# Altium PCB HV_Module_2W.PCBDOC (part 3 of 3)
Units mil, origin at the board's own origin, x right, y up, seen from the top; angles counter-clockwise.
Board outline 5826.77 x 3385.83 mil, 4 copper layers (Top, L2, L3, Bot), stack 62.992 mil thick; 295 components, 180 nets, 850 pads, 310 vias.
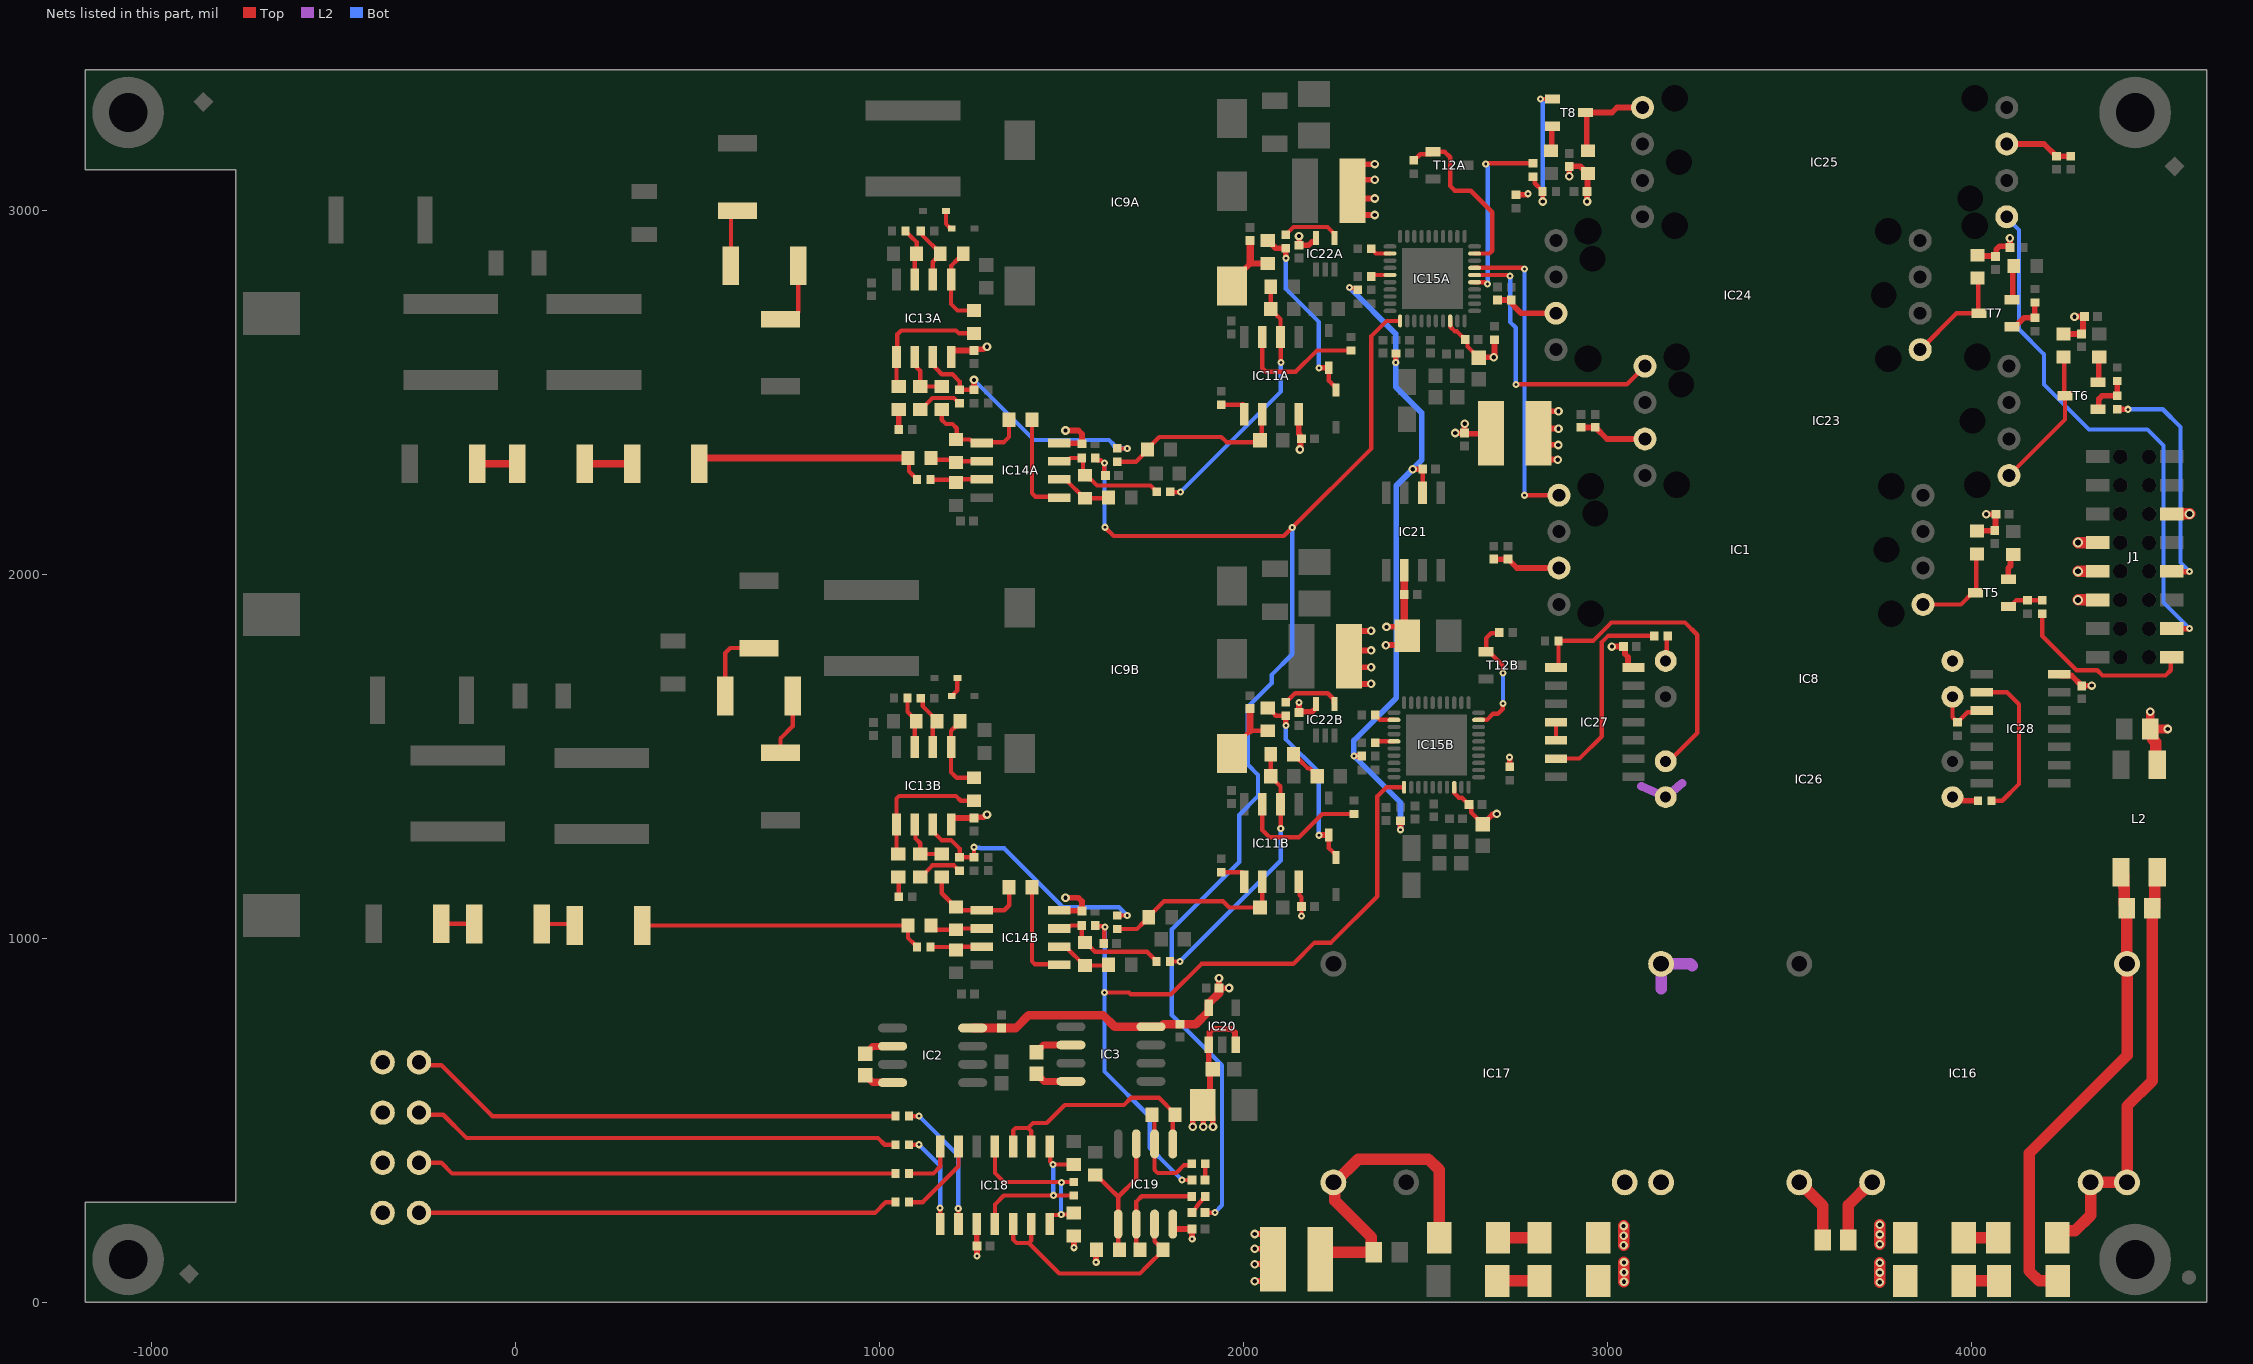
[diagram p5: the nets of this part, all layers, seen from the top]

## Via types
v1: diameter 23.62, hole 11.81, Top to Bot, 172 vias
v2: diameter 19.68, hole 7.87, Top to Bot, 92 vias
v3: diameter 19.68, hole 7.87, Top to Bot, tented both sides, 31 vias
v4: diameter 27.56, hole 15.75, Top to Bot, 9 vias
v5: diameter 31.5, hole 19.68, Top to Bot, tented both sides, 6 vias

## Nets (pads, with @x,y where several pads share a name; then routed paths per layer and width w, separated by ;. In a path a pad name is that pad's centre, name@x,y a point inside that pad or via, vN(x,y) a via of type N, cw(c..) or ccw(c..) an arc to the next point about the centre after c; other vN are vias at no path point) (continued)
NetC30B_2: C30B.2 R77B.1 | length 90.5
  Top w11.81: R77B.1@2137.8,1505.48 2137.8,1503.51 2149.61,1491.7 2151.57,1491.7 2176.74,1466.54 2183.04,1466.54 2189.96,1459.62 2189.96,1458.66 2195.87,1452.76 C30B.2@2204.72,1452.76
NetC31A_2: C31A.2 IC11A.2 R77A.2 R78A.1 | length 717.6
  Top w11.81: R78A.1@1799.06,2226.27 1800.09,2225.24 1826.15,2225.24 v2(1826.62,2225.71) ; R77A.2@2074.8,2788.94 C31A.2@2074.8,2728.35 2074.8,2727.36 2094.46,2707.71 2094.85,2707.71 2101.77,2700.79 IC11A.2@2101.77,2651.57 2102.26,2651.09 2102.26,2581.68 v2(2102.72,2581.22)
  Bot w11.81: v2(1826.62,2225.71) 2102.72,2501.82 v2(2102.72,2581.22)
NetC31B_2: C31B.2 IC11B.2 R77B.2 R78B.1 | length 722
  Top w11.81: R78B.1@1798.22,936.56 v2@1825.24,936.56 ; R77B.2@2074.8,1505.48 C31B.2@2074.8,1444.88 2074.8,1443.9 2087.6,1431.1 2087.99,1431.1 2101.77,1417.32 IC11B.2@2101.77,1368.11 2101.77,1356.3 2102.13,1355.94 v2@2102.13,1298.09
  Top w15.75: v2@1825.24,936.56 v2(1825.53,936.85)
  Bot w11.81: v2(1825.53,936.85) 2102.42,1213.74 v2@2102.42,1297.79
  other v2: 2102.42,1301.73
NetC32_1: C32.1 C37.2 IC16.22 IC16.23 L2.4 | length 1190.4
  Top w31.5: C32.1@4234.25,177.17 4234.25,179.13 4251.97,196.85 4283.46,196.85 4326.38,239.76 IC16.22@4326.38,329.92 IC16.23@4426.38,329.92 4426.38,539.26 4496.06,608.94 C37.2@4496.06,1082.68 ; C37.2@4502.03,1084.71 4502.03,1173.69 L2.4@4509.45,1181.1
NetC32_2: C32.2 C33.1 | length 92.5
  Top w31.5: C33.1@3980.31,177.17 C32.2@4072.83,177.17
NetC33_2: C33.2 C34.1 C38.2 IC16.14 IC17.22 IC17.23 | length 315.4
  Top w31.5: v1(3043.79,156.81) v1(3043.79,210.1) ; IC16.14@3526.38,329.92 3590.55,265.75 C38.2@3590.55,171.26 ; v1(3747.54,159.98) v1(3747.54,213.27) ; C33.2@3800.28,160.52 C33.2@3816.93,177.17
  other v1: 3043.79,183.45 3747.54,186.63
NetC34_2: C34.2 C35.1 | length 114.2
  Top w31.5: C35.1@2698.82,177.17 C34.2@2812.99,177.17
NetC37_1: C37.1 C40.1 IC16.2 L2.3 | length 1330.5
  Top w31.5: C40.1@4218.5,77.5 4236.22,59.79 C40.1@4236.22,59.05 4185.04,59.06 4157.48,86.61 4157.48,409.45 4426.38,678.35 IC16.2@4426.38,929.92 4425.79,930.51 4425.79,1082.09 C37.1@4425.2,1082.68 ; L2.3@4409.45,1181.1 4417.32,1173.23 4417.32,1140.32 4418.61,1139.03 4418.61,1093.2 C37.1@4429.13,1082.68
NetC38_1: C38.1 C41.2 C42.1 IC16.16 IC17.2 | length 481.3
  Top w31.5: v1(3044.88,56.68) v1(3044.88,109.96) ; C38.1@3661.42,169.82 3661.42,267.72 3723.62,329.92 IC16.16@3726.38,329.92 ; v1(3747.54,55.65) v1(3747.54,108.94) ; C41.2@3799.21,82.68 3816.93,64.96 C41.2@3816.93,59.05
  L2 w31.5: 3146.85,862.2 IC17.2@3146.85,929.92 3227.56,929.92 3232.28,925.2
  other v1: 3747.54,82.3 3044.88,83.32
NetC40_2: C40.2 C41.1 | length 96.5
  Top w31.5: C41.1@3978.35,59.05 C40.2@4074.8,59.05
NetC42_2: C42.2 C43.1 | length 116.1
  Top w31.5: C43.1@2696.85,59.06 C42.2@2812.99,59.06
NetC44_1: C44.1 R57.2 | length 57.7
  Top w11.81: C44.1@1858.79,246.75 1865.08,253.05 1872.9,264.94 cw(c1882.01,258.96) 1873.59,265.88 1889.49,285.24 R57.2@1895.01,291.54
NetC45A_2: C45A.2 IC11A.6 R87A.2 R91A.1 | length 515.8
  Top w11.81: R91A.1@1653.41,2309.06 1704.75,2309.06 1736.24,2340.55 R87A.2@1736.24,2342.52 1736.24,2344.49 1768.75,2377 1938.9,2377 1953.17,2362.73 2039.89,2362.73 C45A.2@2045.28,2368.11 ; C45A.2@2050.26,2373.1 IC11A.6@2050.26,2449.28
  Top w15.75: C45A.2@2045.28,2368.11 C45A.2@2050.26,2373.1 ; IC11A.6@2050.26,2449.28 IC11A.6@2051.77,2450.79
NetC45B_2: C45B.2 IC11B.6 R87B.2 R91B.1 | length 525.1
  Top w11.81: R91B.1@1653.41,1025.59 1707.65,1025.59 1726.11,1044.04 1728.08,1044.04 1739.89,1055.86 R87B.2@1739.89,1057.82 1739.89,1059.79 1781.91,1101.81 1943.66,1101.81 1960.83,1084.65 C45B.2@2045.28,1084.65 2051.77,1091.14 IC11B.6@2051.77,1167.32 ; R87B.2@1730.66,1067.05 R87B.2@1735.52,1071.91
NetC46_1: C46.1 R71.2 | length 45.1
  Top w11.81: C46.1@1894.61,336.71 R71.2@1894.61,380.71
  Top w15.75: C46.1@1894.22,336.32 C46.1@1894.61,336.71 ; R71.2@1894.61,380.71 R71.2@1895.01,381.1
NetC67A_2: C67A.2 IC9A.5 R74A.2 | length 194.3
  Top w15.75: IC9A.5@1968.5,2791.34 1968.5,2803.74 2018.31,2853.54 R74A.2@2066.93,2853.54
  Top w20: 2018.31,2853.54 C67A.2@2018.31,2916.34
NetC67B_2: C67B.2 IC9B.5 R74B.2 | length 192.1
  Top w11.81: IC9B.5@1968.5,1507.87 1968.5,1520.28 2018.31,1570.08 R74B.2@2066.93,1570.08
  Top w19.68: 2018.31,1570.08 C67B.2@2018.31,1630.71
NetC69_1: C69.1 IC3.4 | length 103.3
  Top w19.68: C69.1@1431.47,628.38 1452.73,607.12 IC3.4@1525.94,607.12
NetC69_2: C69.2 IC3.2 | length 102.6
  Top w19.68: C69.2@1431.47,687.44 1451.15,707.12 IC3.2@1525.94,707.12
NetC72_1: C72.1 IC2.4 | length 83.3
  Top w19.68: C72.1@961.61,624.29 981.26,604.65 1035.57,604.65 IC2.4@1036.4,603.82
NetC72_2: C72.2 IC2.2 | length 83.3
  Top w19.68: C72.2@961.61,683.35 981.26,703 1035.57,703 IC2.2@1036.4,703.82
NetD1A_2: D1A.2 D9A.2 | length 57.2
  Top w11.81: D1A.2@1183.07,2998.03 1183.07,2962.01 1196.26,2948.82 D9A.2@1198.82,2948.82
NetD1B_2: D1B.2 D9B.2 | length 58.7
  Top w11.81: D9B.2@1198.82,1665.35 1201.38,1665.35 1203.74,1667.72 1203.74,1670.28 1213.98,1680.51 D1B.2@1213.98,1716.26
NetD3A_2: D3A.2 D8A.2 R74A.1 R76A.2 | length 523
  Top w11.81: D3A.2@2234.25,2566.99 2234.25,2531.56 2248.2,2517.61 2250,2517.61 2253.94,2513.67 D8A.2@2253.94,2505.8
  Top w15.75: R74A.1@2066.93,2916.54 2068.9,2916.54 2078.74,2906.69 2078.74,2904.72 2088.58,2894.88 R76A.2@2116.14,2894.88 2116.14,2867.87 v2(2116.44,2867.57) ; v2(2206.94,2566.69) 2207.24,2566.99 D3A.2@2234.25,2566.99
  Bot w11.81: v2(2116.44,2867.57) 2116.44,2783.17 2206.94,2692.66 v2(2206.94,2566.69)
NetD3B_2: D3B.2 D8B.2 R74B.1 R76B.2 | length 523
  Top w11.81: R74B.1@2066.93,1633.07 2068.9,1633.07 2080.71,1621.26 2080.71,1619.29 2088.58,1611.42 R76B.2@2116.14,1611.42 ; D3B.2@2234.25,1283.53 2234.25,1248.09 2248.2,1234.15 2250,1234.15 2253.94,1230.21 D8B.2@2253.94,1222.33
  Top w15.75: R76B.2@2116.14,1611.42 2116.14,1584.41 v2(2116.44,1584.11) ; v2(2206.94,1283.23) 2207.24,1283.53 D3B.2@2234.25,1283.53
  Bot w11.81: v2(2116.44,1584.11) 2116.44,1546.42 2206.94,1455.92 v2(2206.94,1283.23)
NetIC1_1: IC1.1 R1.1 T5.3 | length 265.3
  Top w11.81: IC1.1@3866.14,1916.93 3970.08,1916.93 4001.97,1948.82 T5.3@4009.84,1948.82 4012.2,1951.18 4012.2,2052.92 R1.1@4014.57,2055.28
NetIC8_1: IC8.1 R23.1 | length 71.3
  Top w11.81: IC8.1@3159.45,1761.81 3162.4,1764.76 3162.4,1827.76 R23.1@3165.35,1830.71
NetIC8_3: IC8.3 IC28.3 R24.2 | length 159
  Top w11.81: IC8.3@3946.85,1663.39 3946.85,1607.09 3956.3,1597.64 3956.3,1596.85 3959.84,1593.31 3961.42,1593.31 3966.93,1598.82 3966.93,1599.61 3988.46,1621.13 4002.95,1621.13 4004.43,1622.61 4004.43,1625.79 IC28.3@4027.56,1625.79
NetIC11A_3: IC11A.3 R82A.1 | length 345.7
  Top w11.81: IC11A.3@2051.77,2639.76 2051.77,2565.81 2061.3,2556.28 2143.77,2556.28 2201.99,2614.5 R82A.1@2295.51,2614.5
NetIC11A_5: IC11A.5 R58A.1 | length 75.2
  Top w11.81: R58A.1@1938.98,2465.32 IC11A.5@1998.13,2465.32
  Top w15.75: IC11A.5@1998.13,2465.32 2001.77,2461.68 IC11A.5@2001.77,2450.79
NetIC11B_3: IC11B.3 R82B.1 | length 344.9
  Top w11.81: IC11B.3@2051.77,1356.3 2051.77,1297.5 2071.72,1277.56 2152.55,1277.56 2216.33,1341.34 R82B.1@2303.15,1341.34
NetIC11B_5: IC11B.5 R58B.1 | length 74.1
  Top w11.81: R58B.1@1938.98,1181.85 1996.32,1181.85 2001.77,1176.4 IC11B.5@2001.77,1167.32
NetIC13A_1: IC13A.1 R49A.2 R85A.1 | length 223
  Top w11.81: R85A.1@1230.31,2879.92 1230.31,2877.95 1218.5,2866.14 1216.54,2866.14 1197.16,2846.76 1197.16,2797.36 1197.05,2797.24 1197.05,2741.93 1210.66,2728.32 1214.57,2724.41 R49A.2@1259.84,2724.41
NetIC13A_2: IC13A.2 R63A.1 R85A.2 | length 176.8
  Top w11.81: R63A.1@1113.39,2942.91 1118.9,2937.4 1118.9,2930.31 1167.32,2881.89 R85A.2@1167.32,2879.92 1167.32,2877.95 1155.51,2866.14 1154.92,2866.14 1147.05,2858.27 IC13A.2@1147.05,2797.24
NetIC13A_3: IC13A.3 R89A.1 R92A.2 | length 161.1
  Top w11.81: R89A.1@1071.65,2942.91 1071.65,2942.13 1093.22,2920.56 1094.01,2920.56 1102.36,2912.2 R92A.2@1102.36,2879.92 1097.05,2874.61 IC13A.3@1097.05,2797.24
NetIC13A_5: IC13A.5 R49A.1 R90A.2 | length 365
  Top w11.81: R90A.2@1053.15,2515.32 1047.05,2521.42 1047.05,2608.27 1049.31,2610.53 1049.31,2658.56 1060.1,2669.35 1210.63,2669.35 1218.57,2661.42 R49A.1@1259.84,2661.42
NetIC13A_6: IC13A.6 R86A.2 R88A.1 | length 158.3
  Top w11.81: IC13A.6@1097.05,2608.27 1097.05,2573.58 1112.2,2558.42 R86A.2@1112.2,2515.32 R88A.1@1171.26,2515.32
NetIC13A_7: IC13A.7 R62A.1 R91A.2 R94A.2 | length 745.4
  Top w11.81: IC13A.7@1147.05,2608.27 1147.05,2573.58 1164.34,2556.28 1164.34,2555.77 1171.26,2548.86 1200.68,2548.86 1220.47,2529.07 R62A.1@1220.47,2506.27 R94A.2@1259.84,2506.27 ; R91A.2@1653.41,2346.06 1654.44,2345.04 1680.5,2345.04 v2(1680.96,2345.5)
  Top w15.75: v1(1259.84,2533.58) 1260.14,2533.28 R94A.2@1260.14,2506.27
  Bot w11.81: v1(1259.84,2533.58) 1424.64,2368.78 1630.41,2368.78 1643.72,2355.47 1643.72,2352.42 1650.64,2345.5 v2(1680.96,2345.5)
NetIC13B_1: IC13B.1 R49B.2 R85B.1 | length 227
  Top w11.81: R85B.1@1230.32,1596.46 1216.54,1582.68 1209.65,1582.68 1197.05,1570.08 1197.05,1456.5 1208.69,1444.86 1212.6,1440.94 R49B.2@1259.84,1440.94
NetIC13B_2: IC13B.2 R63B.1 R85B.2 | length 178.9
  Top w11.81: R63B.1@1113.39,1659.45 1118.9,1653.94 1118.9,1637.99 1158.46,1598.43 R85B.2@1158.46,1596.46 R85B.2@1150.39,1604.53 ; IC13B.2@1147.05,1513.78 1147.05,1582.09 R85B.2@1159.45,1594.49
NetIC13B_3: IC13B.3 R89B.1 R92B.2 | length 158.3
  Top w11.81: R89B.1@1077.49,1660.35 1077.49,1622.31 1101.38,1598.43 R92B.2@1101.38,1596.46 1097.05,1592.13 IC13B.3@1097.05,1513.78
NetIC13B_5: IC13B.5 R49B.1 R90B.2 | length 375.2
  Top w11.81: R90B.2@1052.17,1231.85 1047.05,1236.97 1047.05,1383.78 1054.26,1390.99 1210.63,1390.99 1223.67,1377.95 R49B.1@1259.84,1377.95
NetIC13B_6: IC13B.6 R86B.2 R88B.1 | length 158.3
  Top w11.81: IC13B.6@1097.05,1324.8 1099.31,1322.54 1099.31,1274.03 1112.2,1261.13 R86B.2@1112.2,1231.85 R88B.1@1171.26,1231.85
NetIC13B_7: IC13B.7 R62B.1 R91B.2 R94B.2 | length 740.9
  Top w11.81: IC13B.7@1147.05,1324.8 1147.05,1293.31 1170.56,1269.79 1197.05,1269.79 1220.47,1246.37 R62B.1@1220.47,1222.8 R94B.2@1259.84,1222.8 v2@1259.84,1249.82 ; R91B.2@1653.41,1062.6 v2@1680.42,1062.6
  Top w15.75: v2(1259.55,1250.11) v2@1259.84,1249.82 ; v2@1680.42,1062.6 v2(1680.72,1062.9)
  Bot w11.81: v2(1259.55,1250.11) 1261.05,1248.61 1275.66,1248.61 1277.19,1247.08 1343.21,1247.08 1504.68,1085.61 1658,1085.61 v2(1680.72,1062.9)
NetIC14A_1: IC14A.1 R26A.1 R79A.2 R88A.2 | length 314.2
  Top w11.81: R88A.2@1171.26,2452.33 1171.33,2452.26 1171.33,2423.81 1182.8,2412.34 1200.85,2412.34 1212.6,2400.6 1212.6,2372.05 R26A.1@1210.63,2370.08 1248.97,2370.08 1258.61,2360.43 1293.31,2360.43 1295.57,2362.69 1335.41,2362.69 ; 1335.45,2362.73 1342.03,2362.73 1356.3,2377 R79A.2@1356.3,2423.88
NetIC14A_2: IC14A.2 R26A.2 R30A.1 | length 157.9
  Top w11.81: R30A.1@1141.73,2318.9 1146.38,2314.25 1203.46,2314.25 R26A.2@1210.63,2307.09 1213.98,2310.43 IC14A.2@1293.31,2310.43
NetIC14A_3: IC14A.3 R80A.1 R83A.2 | length 159.2
  Top w11.81: R80A.1@1140.55,2259.15 1203.45,2259.15 R83A.2@1210.63,2251.97 1219.09,2260.43 IC14A.3@1293.31,2260.43
NetIC14A_5: IC14A.5 R79A.1 | length 269.4
  Top w11.81: R79A.1@1419.29,2423.88 1419.29,2222.44 1429.04,2212.69 1480.02,2212.69 IC14A.5@1482.28,2210.43
NetIC14A_6: IC14A.6 R28A.1 R33A.2 | length 168.8
  Top w11.81: IC14A.6@1482.28,2260.43 1511.22,2260.43 1562.99,2208.66 R33A.2@1564.96,2208.66 1626.84,2208.66 R28A.1@1628.8,2210.63
NetIC14A_7: IC14A.7 R33A.1 R78A.2 R84A.2 | length 344.4
  Top w11.81: IC14A.7@1482.28,2310.43 1515.91,2310.43 1524.37,2318.9 R84A.2@1555.72,2318.9 1559.26,2315.35 1559.26,2277.35 1576.77,2259.84 1581.37,2259.84 1597.56,2243.65 1744.67,2243.65 1755.75,2232.57 1756.54,2232.57 1762.05,2227.06 R78A.2@1762.05,2226.27
NetIC14B_1: IC14B.1 R26B.1 R79B.2 R88B.2 | length 305.4
  Top w11.81: R88B.2@1171.26,1168.86 1171.26,1124.02 1208.66,1086.61 R26B.1@1210.63,1086.61 1220.28,1076.97 1293.31,1076.97 1343.04,1076.97 1356.73,1090.66 1356.73,1139.99 R79B.2@1356.3,1140.42
NetIC14B_2: IC14B.2 R26B.2 R30B.1 | length 157.9
  Top w11.81: R30B.1@1141.73,1035.43 1153.54,1023.62 R26B.2@1210.63,1023.62 1213.98,1026.97 IC14B.2@1293.31,1026.97
NetIC14B_3: IC14B.3 R80B.1 R83B.2 | length 159.5
  Top w11.81: R80B.1@1140.55,976.38 1202.76,976.38 R83B.2@1210.63,968.5 1219.09,976.97 IC14B.3@1293.31,976.97
NetIC14B_5: IC14B.5 R79B.1 | length 270.7
  Top w11.81: R79B.1@1419.29,1140.42 1419.29,936.81 1426.87,929.23 1480.02,929.23 IC14B.5@1482.28,926.97
NetIC14B_6: IC14B.6 R28B.1 R33B.2 | length 168.8
  Top w11.81: IC14B.6@1482.28,976.97 1511.22,976.97 1562.99,925.2 R33B.2@1564.96,925.2 1626.84,925.2 R28B.1@1628.8,927.17
NetIC14B_7: IC14B.7 R33B.1 R78B.2 R84B.2 | length 345.3
  Top w11.81: IC14B.7@1482.28,1026.97 1516.98,1026.97 1525.44,1035.43 R84B.2@1555.72,1035.43 ; R84B.2@1555.72,1034.65 1555.72,997.43 R33B.1@1564.96,988.19 1566.93,988.19 1592.01,963.11 1735.45,963.11 1761.22,937.34 R78B.2@1761.22,936.56
NetIC15A_9: IC15A.9 R64A.2 T12A.1 | length 497.7
  Top w11.81: R64A.2@2467.72,3136.56 2468.5,3136.56 2485.29,3153.35 2513.58,3153.35 T12A.1@2520.47,3160.24 2552.36,3160.24 2567.72,3144.88 2567.72,3065.87 2580.44,3053.15 2623.87,3053.15 2683.07,2993.96 2683.07,2888.19 2675.43,2880.55 IC15A.9@2634.65,2880.55
NetIC15A_22: IC15A.22 R27A.1 | length 57.1
  Top w11.81: R27A.1@2351.18,2893.7 2351.18,2892.91 2363.55,2880.55 IC15A.22@2402.36,2880.55
NetIC15A_25: IC15A.25 R25A.1 | length 52.8
  Top w11.81: R25A.1@2351.18,2817.56 2355.12,2821.49 IC15A.25@2402.36,2821.49
NetIC15B_9: IC15B.9 R64B.2 T12B.1 | length 339.6
  Top w11.81: IC15B.9@2645.67,1600 2668.38,1600 2685.08,1616.7 2698.66,1616.7 2711.92,1629.96 2711.92,1643.96 v2(2712.6,1644.64) ; R64B.2@2702.66,1839.57 2701.25,1838.16 2680.44,1838.16 2666.26,1823.97 T12B.1@2666.26,1787.01 2674.13,1787.01 2712.6,1748.54 v2(2712.6,1728.35)
  Bot w11.81: v2(2712.6,1644.64) v2(2712.6,1728.35)
NetIC15B_22: IC15B.22 R27B.1 | length 57.1
  Top w11.81: R27B.1@2362.2,1613.15 2362.2,1612.36 2374.57,1600 IC15B.22@2413.39,1600
NetIC15B_25: IC15B.25 R25B.1 | length 52.4
  Top w11.81: R25B.1@2362.2,1537.99 2365.16,1540.94 IC15B.25@2413.39,1540.94
NetIC18_1: IC18.1 R67.2 | length 252.9
  Top w11.81: R67.2@1081.5,433.07 v2@1108.51,433.07 ; IC18.1@1167.17,232.09 v2@1167.17,259.1
  Top w15.75: v2@1108.51,433.07 v2(1108.8,433.37) ; v2(1166.87,259.4) v2@1167.17,259.1
  Bot w11.81: v2(1108.8,433.37) 1166.87,375.3 v2(1166.87,259.4)
NetIC18_2: IC18.2 R109.2 | length 354.1
  Top w11.81: R109.2@1081.5,511.81 v2@1108.51,511.81 ; IC18.2@1217.17,230.36 v2@1217.17,257.37
  Top w15.75: v2@1108.51,511.81 v2(1108.8,512.11) ; v2(1216.87,257.67) v2@1217.17,257.37
  Bot w11.81: v2(1108.8,512.11) 1216.87,404.04 v2(1216.87,257.67)
NetIC18_4: IC18.4 IC18.8 R59.2 R108.1 | length 475.5
  Top w11.81: IC18.4@1317.45,215.75 1317.45,269.33 1341.81,293.7 R108.1@1533.98,293.7 ; IC18.8@1467.45,428.35 1469.37,426.42 1469.37,387.04 v2(1477.28,379.13) R59.2@1533.98,379.13
  Bot w11.81: v2(1477.28,379.13) 1477.28,295.36 v2(1478.35,294.29)
NetIC18_5: IC18.5 IC18.6 IC19.7 R56.1 | length 657.7
  Top w11.81: IC18.5@1367.45,215.75 1367.45,172.91 1376.97,163.39 1410.53,163.39 ; IC18.6@1417.45,215.75 1417.45,170.3 1410.53,163.39 ; IC19.7@1755.83,215.35 1755.83,168.11 1765.28,158.66 1767.25,158.66 1779.06,146.85 R56.1@1779.06,144.88 1779.06,142.91 1735.95,99.8 1715.87,79.72 1680.83,79.72 1494.19,79.72 1410.53,163.39
NetIC18_7: IC18.7 IC18.11 R5.1 R108.2 | length 478
  Top w11.81: IC18.11@1317.45,428.35 1317.45,355.86 1342.6,330.71 R108.2@1533.98,330.71 ; IC18.7@1467.45,215.75 1467.45,234.45 1473.35,240.35 1498.15,240.35 v2(1499.44,241.64) 1530.35,241.64 R5.1@1533.98,245.28
  Bot w11.81: v2(1499.44,241.64) 1499.09,241.99 1499.09,328.9 v2(1500.12,329.92)
NetIC18_9: IC18.9 IC18.10 IC19.1 R69.1 | length 684.1
  Top w11.81: IC18.10@1367.45,428.35 1367.45,472.41 1374.37,479.33 1408.46,479.33 ; IC18.9@1417.45,428.35 1417.45,470.35 1408.46,479.33 ; IC19.1@1805.83,435.35 1805.83,509.34 R69.1@1812.23,515.74 1812.23,517.71 1767.78,562.15 1691.73,562.15 1671.78,542.2 1509.16,542.2 1459.8,492.84 1421.97,492.84 1408.46,479.33
NetIC18_13: IC18.13 R72.2 | length 231.1
  Top w11.81: R72.2@1081.5,275.59 1119.09,275.59 1217.45,373.94 IC18.13@1217.45,428.35
NetIC18_14: IC18.14 R70.2 | length 149
  Top w11.81: R70.2@1081.5,354.33 1148.72,354.33 1167.45,373.06 IC18.14@1167.45,428.35
NetIC19_2: IC19.2 R69.2 R71.1 | length 270.4
  Top w11.81: R69.2@1749.24,515.74 1755.83,509.14 1755.83,364.17 1764.14,355.86 1815.47,355.86 1836.83,377.22 1854.12,377.22 R71.1@1858,381.1
NetIC19_3: IC19.3 IC19.5 R66.1 R68.2 | length 399.9
  Top w11.81: R68.2@1593.04,349.61 1604.85,337.8 1608.17,337.8 1630.83,315.13 1655.83,290.13 ; R66.1@1658.98,144.88 1655.83,148.03 IC19.5@1655.83,215.35 1655.83,227.56 1655.83,290.13 ; IC19.3@1705.83,435.35 1705.83,340.13 1655.83,290.13
NetIC19_6: IC19.6 R56.2 R57.1 | length 294.8
  Top w11.81: R56.2@1716.07,144.88 1705.83,155.12 IC19.6@1705.83,215.35 1705.83,227.56 1705.83,277.22 1720.4,291.79 1852.49,291.79 R57.1@1858,291.54
NetIC22A_4: IC22A.4 R76A.1 | length 162
  Top w11.81: R76A.1@2116.14,2931.89 2116.93,2931.89 2122.44,2937.4 2122.44,2938.19 2137.58,2953.33 2230.73,2953.33 2250,2934.05 IC22A.4@2250,2923.23
NetIC22B_4: IC22B.4 R76B.1 | length 162.8
  Top w11.81: R76B.1@2116.14,1648.43 2116.93,1648.43 2141.81,1673.31 2231.22,1673.31 2248.03,1656.5 2248.03,1645.67 IC22B.4@2250,1643.7
NetIC23_1: IC23.1 R6.1 T6.3 | length 390.4
  Top w11.81: IC23.1@4102.36,2271.26 4255.91,2424.8 T6.3@4255.91,2490.16 4253.94,2492.13 4253.94,2594.49 R6.1@4251.97,2596.46
NetIC24_1: IC24.1 R98.1 T7.3 | length 300.9
  Top w11.81: IC24.1@3858.27,2616.54 3958.27,2716.54 T7.3@4019.69,2716.54 4017.72,2718.5 4017.72,2811.02 R98.1@4015.75,2812.99
NetIC25_1: IC25.1 R102.1 T8.3 | length 270.5
  Top w15.75: R102.1@2946.06,3162.99 2942.52,3166.54 2942.52,3264.17 T8.3@2938.98,3267.72 3011.81,3267.72 3025.59,3281.5 IC25.1@3096.06,3281.5
NetIC26_1: IC26.1 R106.1 | length 74.2
  Top w15.75: IC26.1@3946.85,1387.8 3955.32,1379.33 3976.83,1379.33 3978.2,1377.95 R106.1@4016.93,1377.95
NetIC26_3: IC26.3 IC27.1 R21.2 | length 881.9
  Top w11.81: IC27.1@2857.48,1744.49 IC27.1@2858.27,1743.7 2859.06,1743.7 2864.96,1749.61 R21.2@2864.96,1816.93 2960.11,1816.93 3010.3,1867.13 3212.55,1867.13 3246.06,1833.61 3246.06,1563.78 3168.5,1486.22 IC26.3@3159.45,1486.22
NetIC27_4: IC27.4 IC27.5 | length 50
  Top w11.81: IC27.5@2858.27,1543.7 IC27.4@2858.27,1593.7
NetIC27_6: IC27.6 R23.2 | length 561.1
  Top w11.81: IC27.6@2858.27,1493.7 2922.83,1493.7 2984.25,1555.12 2984.25,1813.58 3001.38,1830.71 R23.2@3128.35,1830.71
NetIC28_2: IC28.2 R106.2 | length 429.5
  Top w11.81: IC28.2@4027.56,1675.79 4096.91,1675.79 4129.67,1643.02 4129.67,1423.96 4083.66,1377.95 R106.2@4053.94,1377.95
NetR2_1: R2.1 R3.2 T5.1 | length 101.4
  Top w11.81: T5.1@4100.39,1911.42 4108.27,1911.42 4113.19,1916.34 4113.19,1919.52 4122.41,1928.74 R3.2@4152.76,1928.74 ; R3.2@4153.54,1928.74 4153.71,1928.57 4193.22,1928.57 R2.1@4193.39,1928.41
NetR4_2: R4.2 T5.2 | length 73.4
  Top w15.75: T5.2@4100.39,1986.22 4100.39,2016.93 4106.13,2022.67 4106.13,2045.89 R4.2@4114.17,2053.94
NetR7A_2: R7A.2 R8A.1 | length 184.3
  Top w11.81: R7A.2@728.35,2700.79 758.86,2700.79 777.64,2719.57 R8A.1@777.64,2846.76
NetR7B_2: R7B.2 R8B.1 | length 169.4
  Top w11.81: R7B.2@728.35,1509.84 728.35,1549.21 761.81,1582.68 R8B.1@761.81,1665.35
NetR8A_2: R8A.2 R9A.1 | length 159.1
  Top w11.81: R8A.2@592.6,2846.76 592.6,2981.3 609.33,2998.03 R9A.1@610.24,2998.03
NetR8B_2: R8B.2 R9B.1 | length 216.3
  Top w11.81: R8B.2@576.77,1665.35 576.77,1783.46 590.55,1797.24 R9B.1@669.29,1797.24
NetR30A_2: R30A.2 R80A.2 R81A.1 | length 650.4
  Top w11.81: R30A.2@1078.74,2318.9 1081.69,2315.94 1081.69,2282.48 1103.54,2260.63 R80A.2@1103.54,2259.84
  Top w19.68: R81A.1@505.91,2303.15 505.91,2306.1 518.7,2318.9 R30A.2@1078.74,2318.9
NetR30B_2: R30B.2 R80B.2 R81B.1 | length 800.1
  Top w11.81: R81B.1@348.43,1035.43 R30B.2@1078.74,1035.43 1078.74,1001.18 1097.24,982.68 1098.03,982.68 1103.54,977.17 R80B.2@1103.54,976.38
NetR60A_1: R60A.1 R81A.2 | length 129.9
  Top w19.68: R60A.1@190.94,2303.15 R81A.2@320.87,2303.15
NetR60A_2: R60A.2 R61A.1 | length 110.2
  Top w19.68: R61A.1@-104.33,2303.15 R60A.2@5.91,2303.15
NetR60B_1: R60B.1 R81B.2 | length 92.2
  Top w11.81: R60B.1@72.83,1039.37 159.45,1039.37 R81B.2@163.39,1035.43
NetR60B_2: R60B.2 R61B.1 | length 91
  Top w11.81: R61B.1@-202.76,1040.35 -113.19,1040.35 R60B.2@-112.2,1039.37
NetR62A_2: R62A.2 R86A.1 | length 127.3
  Top w11.81: R86A.1@1112.2,2452.33 1114.17,2452.33 1145.67,2483.82 1205.12,2483.82 1219.68,2469.26 R62A.2@1220.47,2469.26
NetR62B_2: R62B.2 R86B.1 | length 127.3
  Top w11.81: R86B.1@1112.2,1168.86 1114.17,1168.86 1145.67,1200.36 1205.12,1200.36 1219.69,1185.8 R62B.2@1220.47,1185.8
NetR90A_1: R90A.1 R93A.2 | length 54.7
  Top w15.75: R93A.2@1053.15,2397.65 R90A.1@1053.15,2452.33
NetR90B_1: R90B.1 R93B.2 | length 55.1
  Top w11.81: R90B.1@1052.17,1168.86 1053.15,1167.88 R93B.2@1053.15,1114.19
NetR95_1: R95.1 R96.2 T6.1 | length 124.5
  Top w15.75: T6.1@4346.46,2452.76 4346.46,2455.71 4348.43,2457.68 4348.43,2480.54 4357.65,2489.76 R95.1@4399.61,2489.76 R96.2@4399.61,2530.71
NetR97_2: R97.2 T6.2 | length 70.5
  Top w15.75: T6.2@4346.46,2527.56 4348.43,2529.53 4348.43,2594.49 R97.2@4350.39,2596.46
NetR99_1: R99.1 R100.2 T7.1 | length 115.2
  Top w15.75: T7.1@4110.24,2679.13 4118.11,2679.13 4143.31,2704.33 R99.1@4173.23,2704.33 R100.2@4173.23,2746.06
NetR101_2: R101.2 T7.2 | length 94.5
  Top w15.75: T7.2@4110.24,2753.94 4112.2,2755.91 4112.2,2843.23 R101.2@4115.34,2846.36
NetR103_1: R103.1 R104.2 T8.1 | length 390.9
  Top w11.81: R103.1@2795.28,3091.73 2796.06,3091.73 2799.61,3088.19 2799.61,3073.62 2821.26,3051.97 R104.2@2821.26,3051.18 2821.56,3050.88 2821.56,3023.87 v1(2821.85,3023.57) ; v2@2815.84,3305.07 T8.1@2842.85,3305.07
  Top w15.75: v2(2815.54,3304.77) v2@2815.84,3305.07
  Bot w11.81: v2(2815.54,3304.77) 2815.54,3302.64 2821.85,3296.33 v1(2821.85,3023.57)
NetR105_2: R105.2 T8.2 | length 69
  Top w15.75: R105.2@2844.49,3162.99 2846.46,3164.96 2846.46,3228.35 T8.2@2848.43,3230.31
P3V3: C1.2 C6.2 C9.2 C49.1 C58.2 C60.2 C61.2 C63.1 C64.2 IC8.4 IC25.6 IC28.14 J1.11 R1.2 R6.2 R98.2 | length 726
  Top w15.75: R1.2@4014.57,2118.28 4015.47,2119.18 4062.09,2119.18 C1.2@4062.99,2120.08 4064.96,2122.05 4064.96,2162.69 C60.2@4066.93,2164.66 4039.92,2164.66 v1(4039.62,2164.36) ; R98.2@4015.75,2875.98 4017.72,2874.02 4062.99,2874.02 C61.2@4064.96,2872.05 4067.3,2874.39 4067.3,2891.41 4076.53,2900.64 4104.87,2900.64 4104.87,2922.67 v1(4104.79,2922.75) ; IC25.6@4096.06,3181.5 4198.43,3181.5 C63.1@4232.28,3147.64 C9.2@4271.65,3147.64 ; IC28.14@4240.16,1725.79 4244.09,1721.85 4273.62,1721.85 C49.1@4301.97,1693.5 4302.26,1693.8 4329.28,1693.8 v1(4329.57,1694.1) ; R6.2@4251.97,2659.45 4252.25,2659.73 4301.09,2659.73 C6.2@4301.37,2660 4305.7,2664.33 C64.2@4305.7,2707.64 ; v1(4282,2707.34) 4282.29,2707.64 C64.2@4305.7,2707.64 ; C64.2@4309.3,2707.64 C64.2@4305.7,2707.64
  Top w31.5: J1.11@4548.79,2165.52 v4(4598.13,2165.52)
P3V3Ap: C19A.2 C19B.2 C24A.2 C24B.2 C57.2 IC15A.38 IC15B.38 L4.2 R75A.2 R75B.2 | length 569.2
  Top w11.81: IC15A.38@2567.72,2695.51 2567.72,2679.61 2580.44,2666.89 2586.5,2666.89 C24A.2@2609.05,2644.33 2615.35,2638.03 2615.35,2625.21 C19A.2@2646.46,2594.11 C19A.2@2657.32,2604.97 ; IC15B.38@2578.74,1414.96 2578.74,1399.06 2591.46,1386.34 2600.16,1386.34 C24B.2@2618.91,1367.59 ; C24B.2@2619.08,1367.42 2625.38,1361.12 2625.38,1345.66 C19B.2@2657.48,1313.56
  Top w15.75: v1@2581.76,2387.25 C57.2@2606.91,2387.25 2606.91,2412.4 v1(2607.53,2413.02) ; C57.2@2605.2,2386.02 2679.26,2386.02 L4.2@2680.06,2386.82 ; C19A.2@2659.64,2595.66 v1@2686.65,2595.66 ; C19B.2@2663.33,1313.56 2663.33,1319.41 2684.11,1340.18 2694.08,1340.18 v1(2695.59,1341.69) ; v1(2686.95,2595.95) 2686.95,2598.09 2689.61,2600.75 R75A.2@2689.61,2644.14 ; v2@2730.87,1498.3 2731.16,1498 R75B.2@2731.16,1470.99
  other v1: 2581.14,2387.87
  other v2: 2730.87,1497.31
P3V3p: C2.1 C3.1 C7.1 C8.2 C10.2 C50.1 C59.2 C62.2 C65.2 C66.2 C68.1 C71.1 IC1.6 IC2.8 IC3.8 IC20.5 IC23.6 IC24.6 IC26.4 IC27.14 L4.1 R102.2 R107.2 | length 1928.8
  Top w15.75: v1(1932.77,890.57) 1933.07,890.27 C66.2@1933.07,863.26 1960.08,863.26 v1(1960.38,863.56) ; C59.2@2687.18,2041.34 C2.1@2726.38,2041.34 2750.79,2016.93 IC1.6@2866.14,2016.93 ; C8.2@2698.07,2752.95 2698.25,2752.77 2735.06,2752.77 C7.1@2735.24,2752.6 ; C7.1@2726.38,2752.6 2762.44,2716.54 IC24.6@2858.27,2716.54 ; R107.2@2748.03,3042.38 2778.93,3042.38 v2(2781.5,3044.94) ; L4.1@2837.41,2314.77 2862.56,2314.77 v1(2863.18,2314.15) ; L4.1@2838.89,2355.32 2864.04,2355.32 v1(2864.66,2354.7) ; L4.1@2839.19,2400.31 2864.34,2400.31 v1(2864.96,2399.69) ; L4.1@2839.19,2447.84 2864.34,2447.84 v1(2864.96,2447.22) ; v1(2894.98,3092.77) 2894.68,3093.07 C65.2@2894.68,3120.08 2925.03,3120.08 2934.25,3110.85 2934.25,3109.84 2944.09,3100 R102.2@2946.06,3100 2944.49,3098.43 2944.49,3052.76 C62.2@2942.91,3051.18 2943.21,3050.88 2943.21,3023.87 v1(2943.51,3023.57) ; C10.2@2927.2,2402.8 2927.57,2403.17 2965.77,2403.17 C3.1@2966.14,2403.54 2998.43,2371.26 IC23.6@3102.36,2371.26 ; v1(3011.81,1801.18) C50.1@3043.31,1801.18 3047.64,1796.85 3047.64,1781.1 3056.1,1772.64 3056.1,1747.64 3060.04,1743.7 IC27.14@3070.87,1743.7
  Top w23.62: IC2.8@1256.4,753.82 C71.1@1335.63,753.82 1375,753.82 1410.45,789.27 1614.56,789.27 1646.7,757.12 IC3.8@1745.94,757.12 1774.04,757.12 1780.73,763.81 1824.77,763.81 C68.1@1825.17,764.21 1869.08,764.21 1904.08,799.21 IC20.5@1904.08,810.04 1904.08,820.86 1932.68,849.46 1932.68,862.87 C66.2@1933.07,863.26
  L2 w23.62: 3092.96,1417.76 IC26.4@3159.45,1387.8 3204.49,1425.53
P5V0Ap: C21A.2 C21B.2 C22A.2 C22B.2 C29A.2 C29B.2 C47.2 C48A.2 C48B.2 C51.2 C52.2 C53.1 C54.2 C56.1 IC11A.8 IC11B.8 IC13A.8 IC13B.8 IC14A.8 IC14B.8 IC18.3 IC19.8 IC20.1 IC20.3 IC21.2 IC22A.5 IC22B.5 L1A.1 L1B.1 L3.2 LD1.2 LD2.2 LD3.2 LD4.2 R5.2 R66.2 | length 2154
  Top w11.81: IC11B.8@2151.77,1167.32 2154.03,1165.06 2154.03,1118.61 2159.45,1113.19 C29B.2@2159.45,1087.6 2159.45,1057.98 v3@2159.3,1057.82
  Top w15.75: IC13B.8@1197.05,1324.8 1197.05,1327.11 1200.68,1330.75 C21B.2@1259.84,1330.75 1261.92,1332.83 1286.6,1332.83 1293.61,1339.83 v1(1295.74,1339.83) ; IC13A.8@1197.05,2608.27 1197.05,2610.57 1200.68,2614.21 C21A.2@1259.84,2614.21 1263.23,2617.6 1286.21,2617.6 1293.44,2624.82 v1(1295.57,2624.82) ; IC18.3@1267.45,215.75 1267.84,215.35 1267.84,155.12 C51.2@1268.23,154.72 1268.23,127.71 v2(1268.53,127.42) ; IC14B.8@1482.28,1076.97 1483.37,1075.89 1555.42,1075.89 C22B.2@1556.51,1074.8 1556.51,1101.81 1547.13,1111.2 v1(1511.22,1111.2) ; IC14A.8@1482.28,2360.43 1483.37,2359.35 1555.42,2359.35 C22A.2@1556.51,2358.27 1556.51,2385.28 1547.13,2394.66 v1(1511.22,2394.66) ; R5.2@1534.44,177.85 1534.44,150.84 v2(1534.74,150.54) ; R66.2@1595.16,137.8 1595.16,110.78 v2(1595.46,110.49) ; IC19.8@1805.83,215.35 1805.83,205.61 1809.47,201.97 C52.2@1858.79,201.97 1858.79,174.96 v2(1859.08,174.66) ; v1@1860.64,485.1 C56.1@1860.64,512.11 ; C56.1@1888.31,542.32 1908.14,562.15 1908.14,633.53 C47.2@1915.35,640.75 1904.63,651.47 IC20.1@1904.63,707.12 ; C56.1@1889.49,509.84 1889.79,509.55 v1(1889.79,482.53) ; IC20.1@1904.08,707.67 1906.35,709.95 1906.35,741.76 1915.58,750.98 1967.38,750.98 1976.61,741.76 1976.61,709.95 IC20.3@1978.88,707.67 ; v1@1915.92,483.39 C56.1@1915.92,510.4 ; v1@2027.34,58.62 v1@2027.64,58.91 ; v1@2027.34,58.91 L3.2@2054.35,58.91 ; v1@2027.34,105.33 v1@2027.64,105.62 ; v1@2027.34,105.62 L3.2@2054.35,105.62 ; v1@2027.34,147.62 v1@2027.64,147.91 ; v1@2027.34,147.91 L3.2@2054.35,147.91 ; v1@2027.34,188.07 v1@2027.64,188.37 ; v1@2027.34,188.37 L3.2@2054.35,188.37 ; IC11A.8@2151.77,2450.79 2151.77,2385.6 2155.12,2382.26 2155.12,2376.38 C29A.2@2159.45,2372.05 2156.43,2369.03 2156.43,2344.03 v1(2154.92,2342.52) ; v2(2152.26,1647.39) 2152.56,1647.09 C48B.2@2152.56,1620.08 2154.92,1622.44 2188.39,1622.44 2198.82,1632.87 IC22B.5@2198.82,1643.7 ; v1@2152.49,2930.56 2152.78,2930.26 C48A.2@2152.78,2903.25 2178.84,2903.25 2187.99,2912.4 2198.82,2912.4 IC22A.5@2198.82,2923.23 ; L1B.1@2323.03,1698.75 2350.04,1698.75 v1(2350.34,1699.05) ; L1B.1@2323.03,1744.49 2350.04,1744.49 v1(2350.34,1744.79) ; L1B.1@2323.03,1790.35 2350.04,1790.35 v1(2350.34,1790.65) ; L1B.1@2323.03,1844.24 2350.04,1844.24 v1(2350.34,1844.54) ; L1A.1@2333.07,2986.22 2360.08,2986.22 v1(2360.38,2986.52) ; L1A.1@2333.07,3031.5 2360.08,3031.5 v1(2360.38,3031.79) ; L1A.1@2333.07,3082.9 2360.08,3082.9 v1(2360.38,3083.2) ; L1A.1@2333.07,3126.03 2360.08,3126.03 v1(2360.38,3126.33) ; v1(2391.13,1805.25) 2391.42,1805.55 C53.1@2418.43,1805.55 ; v1(2392.61,1855.25) 2392.91,1855.55 C53.1@2419.92,1855.55
  Top w19.68: IC21.2@2441.63,2010.87 C54.2@2441.63,1943.96 2441.63,1838.69 C53.1@2449.61,1830.71 C53.1@2449.61,1839.57
  Top w31.5: C56.1@1888.31,542.32 C56.1@1897.42,533.21
  other v1: 2031.28,58.62 2031.28,105.33 2031.28,147.62 2031.28,188.07 1860.94,482.53 1916.22,482.53 2152.49,2928.59
  other v3: 2159.3,1061.76
P5V0p: C35.2 C39.2 IC17.14 L3.1 | length 910.3
  Top w31.5: L3.1@2210.63,118.11 2230.31,137.8 C39.2@2358.27,137.8 2351.38,144.68 2351.38,179.33 2250.78,279.92 2250.78,325.99 IC17.14@2246.85,329.92 2251.18,329.92 2314.96,393.7 2507.87,393.7 2537.4,364.17 C35.2@2537.4,177.17
P12V0: C36.2 J1.6 J1.8 J1.10 L2.1 | length 364.5
  Top w23.62: v1(4490.16,1622.47) C36.2@4490.16,1574.8 v1(4537.83,1574.8)
  Top w31.5: v4(4291.77,1929.3) J1.6@4346.03,1929.3 ; v4(4291.77,2008.04) J1.8@4346.03,2008.04 ; v4(4291.77,2086.78) J1.10@4346.03,2086.78 ; C36.2@4490.16,1574.8 4497.05,1567.91 4497.05,1547.05 4505.18,1538.92 4505.18,1480.65 L2.1@4509.45,1476.38
REFIN: C55.2 IC21.6 R20A.2 R20B.2 R22A.2 R22B.2 | length 1893.8
  Top w11.81: v3(2291.33,2786.97) 2292.84,2785.47 2314.42,2785.47 R22A.2@2319.14,2780.75 ; IC21.6@2491.63,2223.47 2491.91,2223.76 2491.91,2288.16 C55.2@2492.2,2288.45
  Top w15.75: v2(2303.15,1500.59) 2323.03,1500.59 R22B.2@2324.02,1501.57 ; R20A.2@2418.01,2608.38 2418.01,2581.37 v2(2418.31,2581.07) ; v2(2431.06,1298.23) R20B.2@2431.1,1323.23 ; v1(2464.89,2288.15) 2465.19,2288.45 C55.2@2492.2,2288.45
  Bot w15.75: v3(2291.33,2786.97) 2418.31,2660 v2(2418.31,2581.07) 2418.31,2514.29 2489.53,2443.07 2489.53,2313.63 2464.89,2288.99 v1(2464.89,2288.15) 2419.62,2242.88 2419.62,1659.77 2303.15,1543.31 v2(2303.15,1500.59) 2431.06,1372.68 v2@2431.06,1302.17
SCKI: J1.7 R95.2 | length 628.7
  Top w15.75: R95.2@4399.61,2452.76 v2(4429.13,2452.76) ; J1.7@4570.87,2006.69 4597.88,2006.69 v2(4598.18,2006.99)
  Bot w11.81: v2(4429.13,2452.76) 4524.61,2452.76 4573.19,2404.17 4573.19,2031.97 v2(4598.18,2006.99)
SCKI_ISOL: IC15A.6 IC23.8 | length 777.9
  Top w11.81: IC15A.6@2634.65,2821.49 2724.12,2821.49 2725.21,2820.4 2730.78,2820.4 v2(2732.28,2818.9) ; v3(2748.03,2521.26) 3052.36,2521.26 IC23.8@3102.36,2571.26
  Bot w11.81: v2(2732.28,2818.9) 2732.28,2692.66 2748.03,2676.92 v3(2748.03,2521.26)
SDI: J1.1 R2.2 | length 501.4
  Top w11.81: R2.2@4193.39,1891.4 4193.39,1830.4 4287.57,1736.22 4344.74,1736.22 4359.11,1721.85 4531.89,1721.85 4546.26,1736.22 4546.26,1769.29 J1.1@4548.79,1771.82
SDI_ISOL: IC1.8 IC15A.7 | length 854.6
  Top w11.81: IC15A.7@2634.65,2841.18 2649.73,2841.18 2650.16,2841.61 2717.26,2841.61 2717.69,2841.18 2763.49,2841.18 2764.58,2840.09 2770.15,2840.09 v2(2771.65,2838.58) ; v3(2771.65,2216.93) IC1.8@2866.14,2216.93
  Bot w11.81: v3(2771.65,2216.93) v2(2771.65,2838.58)
SDO: IC25.8 J1.3 | length 1460
  Top w15.75: J1.3@4570.87,1850.56 4597.88,1850.56 v2(4598.18,1850.86)
  Bot w11.81: IC25.8@4096.06,2981.5 4096.06,2979.11 4129.67,2945.51 4129.67,2672.49 4198.43,2603.74 4198.43,2521.06 4321.85,2397.64 4482.28,2397.64 4526.57,2353.35 4526.57,1922.46 v2(4598.18,1850.86)
SDO_ISOL: IC15A.5 R103.2 | length 500.5
  Top w11.81: IC15A.5@2634.65,2801.81 2663.3,2801.81 2668.42,2796.69 v2(2670.55,2796.69) ; v2(2665.4,3126.03) 2667.54,3126.03 2670.24,3128.74 R103.2@2795.28,3128.74
  Bot w11.81: v2(2665.4,3126.03) 2665.4,3123.9 2670.55,3118.76 v2(2670.55,2796.69)
U_meas1: C16A.2 C44.2 IC15A.31 R84A.1 | length 3624.5
  Top w11.81: R84A.1@1592.73,2318.9 1592.73,2318.11 1598.24,2312.6 1608.5,2312.6 1615.98,2305.12 1617.74,2305.12 1617.74,2274.56 C16A.2@1621,2271.3 ; v2(1619.25,2128.94) 1643.53,2104.65 2110.56,2104.65 v2(2133.86,2127.95) ; C44.2@1894.22,246.75 v2@1921.23,246.75 ; v2@2133.86,2128.94 v2(2133.86,2127.95) ; IC15A.31@2429.92,2695.51 2392.61,2695.51 2351.18,2654.08 2351.18,2345.28 v2(2133.86,2127.95)
  Top w15.75: v2@1921.23,246.75 v2(1921.53,247.05)
  Bot w11.81: v2(1618.11,2305.12) 1618.11,2130.08 v2(1619.25,2128.94) ; v2(1921.53,247.05) 1941.25,266.78 1941.25,651.26 1802.96,789.56 1802.96,1024.56 1988.13,1209.73 1988.13,1338.91 2039.89,1390.67 2039.89,1448.95 2011.81,1477.03 2011.81,1634.94 2077.34,1700.47 2077.34,1723.48 2133.86,1780 v2(2133.86,2127.95)
U_meas2: C16B.2 C46.2 IC15B.31 R84B.1 | length 2111.3
  Top w11.81: R84B.1@1592.73,1035.43 1595.16,1033 1617.74,1033 v2(1619.25,1031.5) 1617.74,1029.99 1617.74,987.82 C16B.2@1616.14,986.22 ; v2(1618.11,851.46) 1685.38,851.46 1690.38,846.46 1800.96,846.46 1884.43,929.92 2136.61,929.92 2194.88,988.19 2240.55,988.19 2367.72,1115.35 2367.72,1390.35 2392.33,1414.96 IC15B.31@2440.94,1414.96 ; v2@1831.77,336.32 C46.2@1858.79,336.32
  Top w15.75: v2(1831.48,336.02) v2@1831.77,336.32
  Bot w11.81: v2(1618.11,851.46) 1618.11,634.34 1742.63,509.82 1742.63,424.86 1796.71,370.79 v2(1831.48,336.02) ; v2@1619.25,847.6 v2(1619.25,1031.5)
V1F: LD2.1 R67.1 | length 1345.4
  Top w11.81: LD2.1@-264.17,521.65 -258.26,515.74 -197.63,515.74 -133.69,451.8 996.04,451.8 1014.76,433.07 R67.1@1044.49,433.07
V1R: LD1.1 R109.1 | length 1375.4
  Top w11.81: LD1.1@-264.17,659.45 -256.2,651.47 -202.76,651.47 -63.1,511.81 R109.1@1044.49,511.81 R109.1@1040.56,515.74
V2F: LD4.1 R72.1 | length 1320.9
  Top w11.81: LD4.1@-264.17,246.06 988.19,246.06 1017.72,275.59 R72.1@1044.49,275.59
V2R: LD3.1 R70.1 | length 1320.9
  Top w11.81: LD3.1@-264.17,383.86 -202.76,383.86 -173.23,354.33 R70.1@1044.49,354.33
pads on no net: B1.1 B2.1 B3.1 B4.1 FTG1.FTG2 FTG2.1 FTG3.1 FTG4.1 IC1.9 IC1.10 IC1.11 IC1.12 IC1.13 IC1.14 IC2.1 IC2.7 IC3.1 IC3.7 IC15A.2 IC15A.3 IC15A.4 IC15A.10 IC15A.15 IC15A.16 IC15A.17 IC15A.20 IC15A.21 IC15A.27 IC15A.28 IC15A.29 IC15A.40 IC15B.2 IC15B.3 IC15B.4 IC15B.10 IC15B.15 IC15B.16 IC15B.17 IC15B.20 IC15B.21 IC15B.27 IC15B.28 IC15B.29 IC15B.40 IC16.11 IC17.11 IC20.4 IC21.1 IC21.3 IC21.5 IC21.7 IC21.8 IC23.9 IC23.10 IC23.11 IC23.12 IC23.13 IC23.14 IC24.9 IC24.10 IC24.11 IC24.12 IC24.13 IC24.14 IC25.9 IC25.10 IC25.11 IC25.12 IC25.13 IC25.14 IC27.8 IC27.9 IC27.10 IC27.11 IC27.12 IC27.13 IC28.6 IC28.8 IC28.9 IC28.10 IC28.11 IC28.12 IC28.13 J1.12 J1.M1 J1.M2 J1.M3 J1.M4 J1.M5 J1.M6 J1.M7 J1.M8 J1.M9 J1.M10 J1.M11 J1.M12 J1.M13 J1.M14 J1.M15 J1.M16

## Polygon pours and split planes (outlines as drawn)
P5V0Ap on L2 "P5V0AP_L02_P008" (solid, remove dead copper, pour order 8): -472.92,0.35 -471.99,800.83 1339.31,800.83 ccw(c1339.31,812.71) 1347.71,804.31 1376.51,833.11 ccw(c1368.11,841.51) 1379.98,841.51 1379.98,1106.82 ccw(c1368.12,1106.83) 1376.51,1115.22 1224.64,1267.09 1224.64,1375.92 1402.11,1375.92 ccw(c1402.11,1387.79) 1410.5,1379.4 1435.9,1404.8 ccw(c1427.51,1413.2) 1439.38,1413.2 1439.38,2302 ccw(c1427.52,2302) 1435.91,2310.39 1224.44,2521.86 1224.44,2655.45 1442.89,2655.45 ccw(c1442.89,2667.32) 1451.29,2658.93 1553.67,2761.31 1559.38,2767.02 ccw(c1550.99,2775.41) 1562.86,2775.42 1562.86,3386.17 2558.48,3386.17 2558.48,0.35
P12V0 on L2 "P12V0_L02_P004" (solid, pour order 4): 4251.97,2120.38 4251.97,1776.9 4501.31,1527.56 4645.41,1527.56 4645.41,1830.71 4411.86,1830.71 4375.94,1866.63 4375.94,2120.38
P3V3 on L2 "P3V3_L02_P009" (solid, remove dead copper, pour order 9): 3602.11,3386.17 4645.41,3386.17 4645.41,1344.75 3602.11,1344.75
P3V3p on L2 "P3V3P_L02_P006" (solid, remove dead copper, pour order 6): 3287.4,3386.14 3287.4,1496.06 2590.55,799.21 1917.32,799.21 1890.33,826.2 1890.33,919.34 2005.54,1034.55 2186.78,1034.55 2815.54,1599.92 2815.54,2956.11 2732.28,3039.37 2732.28,3110.24 2685.04,3157.48 2685.04,3385.82
P3V3Ap on L2 "P3V3AP_L02_P005" (solid, pour order 5): 2559.44,1324.32 2727.86,1324.32 2815.54,1412 2815.54,2956.11 2732.28,3039.37 2732.28,3110.24 2685.04,3157.48 2594.49,3157.48 2440.94,3003.94 2440.94,2629.92 2471.28,2599.58 2471.28,1412.47
NetC38_1 on L2 "NETC38_1_L02_P002" (solid, remove dead copper, pour order 2): 3868.24,-0.35 2777.56,-0.35 2777.56,1145.67 3867.98,1145.67
GNDp on L3 "GNDP_L03_P011" (solid, remove dead copper, pour order 11): -669.29,0 -669.29,3386.17 3267.72,3386.17 3267.72,0
GND on L3 "GND_L03_P000" (solid, remove dead copper, pour order 0): 3602.36,3385.83 4645.67,3385.83 4645.67,1344.4 3602.36,1344.4
NetC33_2 on L3 "NETC33_2_L03_P003" (solid, remove dead copper, pour order 3): 3868.21,127.95 2777.3,127.95 2777.3,482.28 3868.13,482.28

## Keep-outs
L2:
  rectangle: -787.4,0 -738.19,3385.83
  region: 1212.76,1467.97 1212.76,1558.53 1082.84,1558.53 1082.84,1467.97
  region: 1212.57,2750.32 1212.57,2840.87 1082.64,2840.87 1082.64,2750.32
  rectangle: 1247.88,2245.69 1338.43,2375.62
  rectangle: 1248.03,960.63 1338.58,1090.55
  lines w15.75: 2527.56,7.87 2527.56,943.86 2956.66,1372.96 3110.49,1372.96 ; 2972.44,0 2972.44,824.21 3132.48,984.25 4645.67,984.25 ; 3204.49,1373.02 3272.68,1441.21 3272.68,3385.83 ; 3700.79,3385.83 3700.79,1551.59 3849.44,1402.94 3902.69,1402.94 ; 3995.92,1402.2 4642.45,1402.2 ; 4251.97,3385.83 4251.97,3188.98 4370.08,3070.87 4645.67,3070.87 ; 2972.44,815.59 2972.44,815.59
L3:
  region: -787.4,3385.83 -738.19,3385.83 -738.19,0 -787.4,0
  lines w15.75: 2527.56,7.87 2527.56,943.86 2956.66,1372.96 3110.49,1372.96 ; 2972.44,0 2972.44,824.21 3132.48,984.25 4645.67,984.25 ; 3204.49,1373.02 3272.68,1441.21 3272.68,3385.83 ; 3700.79,3385.83 3700.79,1551.59 3849.44,1402.94 3902.69,1402.94 ; 3995.92,1402.2 4642.45,1402.2 ; 4251.97,3386.17 4251.97,3188.8 4368.92,3071.85 4645.41,3071.85

## Other copper
Top:
  region net NetC38_1: 3044.88,101.55 2983.82,101.55 2983.82,65.22 3044.88,65.22
  region net NetC33_2: 3043.79,201.69 2982.73,201.69 2982.73,165.35 3043.79,165.35
  rectangle net NetC38_1: 3747.54,64.06 3808.61,100.39
  rectangle net NetC33_2: 3747.54,168.39 3808.61,204.72
L3:
  pour cut-out: 1500,2094.49 1347.8,2094.49 1314.27,2060.95 1314.27,1823.87 1383,1755.13 1500.12,1755.13
  pour cut-out: 1278.54,3358.27 1278.54,3090.87 1326.1,3043.31 1423.23,3043.31 1501.97,3122.05 1501.97,3360.24
Bot:
  rectangle net GNDp: 2433.07,1434.9 2617.47,1622.05

## Silkscreen, mask and mechanical layers (free items; w line width, h text height)
TopOverlay:
  drawing of 1206 lines, arcs and shapes, not listed
  text "HV / OUTA" at -767.72,2803.74 h40
  text "GND" at -511.81,1889.76 h40
  text "HV Module v1.1" at 2874.02,1185.04 h59.06
  text "WUT ISE 2023" at 3027.56,1098.43 h40
  text "HV / OUTB" at -759.84,870.08 h40
  text "HIGH" at 555.52,455.15 h59.06
  text "VOLTAGE" at 466.39,368.56 h59.06
Mechanical1:
  lines w5.91: -1181.1,0 4566.93,0 4645.67,0 4645.67,3385.83 -1181.1,3385.83 -1181.1,3110.24 -767.72,3110.24 -767.72,275.59 -1181.1,275.59 -1181.1,29.53 -1181.1,0
Mechanical4:
  lines w5.91: -474.17,-834.42 -474.17,4218.97
  lines w11.81: -1366.61,-58.59 -1316.69,-58.59 ; -1317.12,2.9 -1316.69,2.47 -1316.69,-58.59 ; -1316.69,-111.68 -1316.69,-58.59 ; -1243.61,-58.59 -1316.69,-58.59
DrillDrawing:
  drawing of 295 lines, arcs and shapes, not listed
  text "Layer" at 266.19,5973.35 h60
  text "Name" at 676.1,5973.35 h60
  text "Material" at 1545.86,5973.35 h60
  text "Thickness" at 2405.63,5973.35 h60
  text "Constant" at 3055.46,5973.35 h60
  text "Board Layer Stack" at 3625.33,5973.35 h60
  text "TopOverlay" at 676.1,5853.35 h60
  text "TopSolder" at 676.1,5733.35 h60
  text "Solder Resist" at 1545.86,5733.35 h60
  text "0,010mm" at 2405.63,5733.35 h60
  text "3.5" at 3055.46,5733.35 h60
  text "1" at 266.19,5613.35 h60
  text "Top" at 676.1,5613.35 h60
  text "0,035mm" at 2405.63,5613.35 h60
  text "Dielectric1" at 676.1,5493.35 h60
  text "FR-4" at 1545.86,5493.35 h60
  text "0,180mm" at 2405.63,5493.35 h60
  text "4.2" at 3055.46,5493.35 h60
  text "2" at 266.19,5373.35 h60
  text "L2" at 676.1,5373.35 h60
  text "0,035mm" at 2405.63,5373.35 h60
  text "Dielectric 3" at 676.1,5253.35 h60
  text "FR-4" at 1545.86,5253.35 h60
  text "1,100mm" at 2405.63,5253.35 h60
  text "4.2" at 3055.46,5253.35 h60
  text "3" at 266.19,5133.35 h60
  text "L3" at 676.1,5133.35 h60
  text "0,035mm" at 2405.63,5133.35 h60
  text "Dielectric2" at 676.1,5013.35 h60
  text "FR-4" at 1545.86,5013.35 h60
  text "0,180mm" at 2405.63,5013.35 h60
  text "4.2" at 3055.46,5013.35 h60
  text "4" at 266.19,4893.35 h60
  text "Bot" at 676.1,4893.35 h60
  text "0,035mm" at 2405.63,4893.35 h60
  text "BottomSolder" at 676.1,4773.35 h60
  text "Solder Resist" at 1545.86,4773.35 h60
  text "0,010mm" at 2405.63,4773.35 h60
  text "3.5" at 3055.46,4773.35 h60
  text "BottomOverlay" at 676.1,4653.35 h60

## Text inside footprints (layer, text, board x,y; h text height)
IC9A: TopOverlay "5" at 1948.72,2909.65 h39.37 r270; TopOverlay "4" at 1366.04,2913.58 h39.37 r270; TopOverlay "3" at 1366.04,3098.62 h39.37 r270; TopOverlay "2" at 1948.72,2972.64 h39.37 r270; DrillDrawing "R 6" at 1590.45,2602.56 h39.37 r270; DrillDrawing "24" at 1688.88,3106.5 h39.37 r270; DrillDrawing "12" at 1539.27,2878.15 h39.37; DrillDrawing "R 1.1" at 1523.52,3260.04 h39.37 r270; Mechanical14 "5" at 1948.72,2909.65 h39.37 r270; Mechanical14 "4" at 1366.04,2913.58 h39.37 r270; Mechanical14 "3" at 1366.04,3098.62 h39.37 r270; Mechanical14 "2" at 1948.72,2972.64 h39.37 r270
IC9B: TopOverlay "5" at 1948.72,1626.18 h39.37 r270; TopOverlay "4" at 1366.04,1630.12 h39.37 r270; TopOverlay "3" at 1366.04,1815.16 h39.37 r270; TopOverlay "2" at 1948.72,1689.17 h39.37 r270; DrillDrawing "R 6" at 1590.45,1319.09 h39.37 r270; DrillDrawing "24" at 1688.88,1823.03 h39.37 r270; DrillDrawing "12" at 1539.27,1594.68 h39.37; DrillDrawing "R 1.1" at 1523.52,1976.57 h39.37 r270; Mechanical14 "5" at 1948.72,1626.18 h39.37 r270; Mechanical14 "4" at 1366.04,1630.12 h39.37 r270; Mechanical14 "3" at 1366.04,1815.16 h39.37 r270; Mechanical14 "2" at 1948.72,1689.17 h39.37 r270
IC16: TopOverlay "23" at 4400.2,479.92 h47.24 r270; TopOverlay "14" at 3500.2,479.92 h47.24 r270; TopOverlay "11" at 3500.2,854.92 h47.24 r270
IC17: TopOverlay "11" at 2220.67,854.92 h47.24 r270; TopOverlay "14" at 2220.67,479.92 h47.24 r270; TopOverlay "23" at 3120.67,479.92 h47.24 r270
J1: TopOverlay "16" at 4352.92,2354.5 h39.37 r90; TopOverlay "15" at 4532.61,2378.28 h39.37 r90; TopOverlay "2" at 4352.92,1712.76 h39.37 r90; TopOverlay "1" at 4581.27,1724.57 h39.37 r90